# KiCad board helios-panel.kicad_pcb (continued)
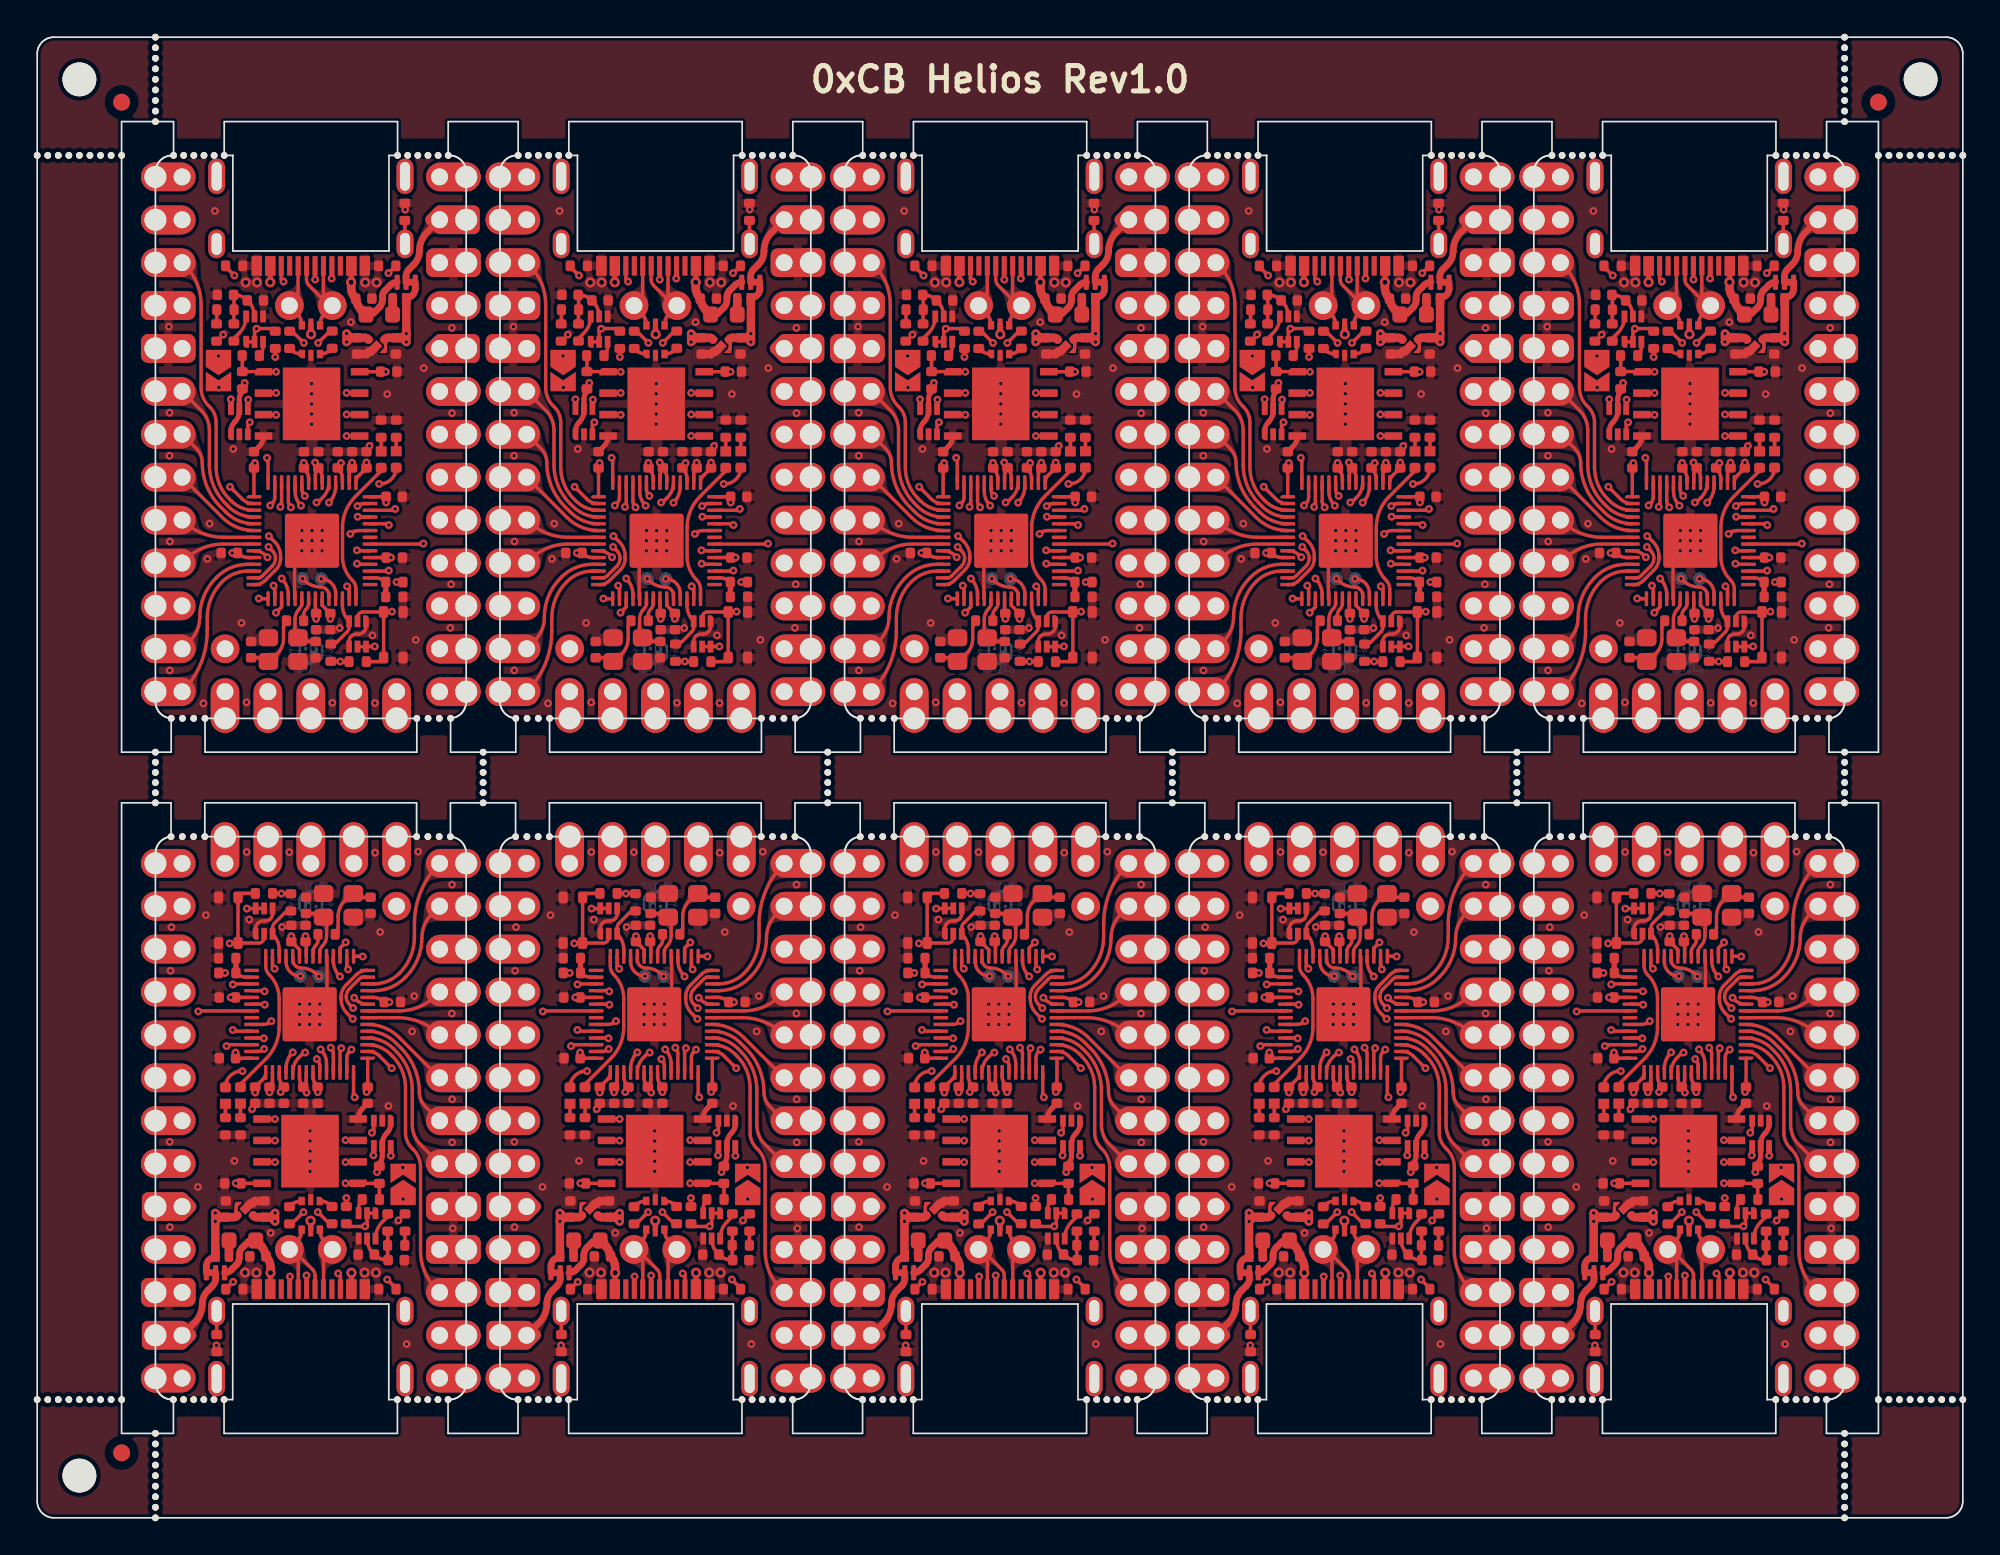
[diagram p0: board, top side]
## Routing (per net, layer and track width the routed paths; a pad name or vN(x,y) marks a point on that pad's centre or on a via; arc(x,y) is an arc through that point) (continued)
  In1.Cu w0.2: v1(80.48,33.23) 80.48,33.92 arc(81,36.53) J2#8.14
Board_8-/13: length 7.2
  Top w0.2: U4#4.16 79.53,32.55 v1(79.61,32.47)
  In1.Cu w0.2: J2#8.15 79.94,33.28 arc(79.85,32.84) v1(79.61,32.47)
Board_8-/14: length 6.2
  Top w0.2: v1(79.47,34.07) 79.13,33.73 U4#4.17
  In1.Cu w0.2: J2#8.16 77.62,38.53 arc(78.98,36.49) v1(79.47,34.07)
Board_8-/15: length 9.5
  Top w0.2: U4#4.18 78.73,33 arc(78.83,32.49) v1(79.12,32.05)
  In1.Cu w0.2: J2#8.17 77.4,36.21 arc(78.23,34.96) 78.53,33.5 arc(78.68,32.71) v1(79.12,32.05)
Board_8-/16: length 7.9
  Top w0.2: U4#4.27 75.13,32.63 v1(75.25,32.51)
  In1.Cu w0.2: J2#8.18 72.92,38.15 arc(74.65,35.56) v1(75.25,32.51)
Board_8-/20_SDI: length 4.9
  Top w0.2: v1(72.78,31.58) 72.81,31.61 U4#4.31
  In1.Cu w0.2: J2#8.21 71.22,32.23 arc(71.94,31.75) v1(72.78,31.58)
Board_8-/21_CS: length 10.1
  Top w0.2: v1(74.67,31.17) 74.62,31.21 U4#4.32
  In1.Cu w0.2: J2#8.19 72.68,35.85 arc(73.98,34.02) 74.61,31.88 74.61,31.22 v1(74.67,31.17)
Board_8-/22_SCK: length 5.9
  Top w0.2: U4#4.34 74.64,30.41 v1(74.67,30.38)
  In1.Cu w0.2: v1(74.67,30.38) 74.63,30.34 71.7,30.34 arc(70.66,30.54) J2#8.22
Board_8-/23_SDO: length 9.8
  Top w0.2: U4#4.35 70.77,30.01 v1(70.73,29.98)
  In2.Cu w0.2: v1(70.73,29.98) 70.86,30.11 70.86,33.83 arc(70.63,35.03) 69.95,36.04 J2#8.20
Board_8-/A0: length 4.2
  Top w0.2: U4#4.38 72.86,28.81 v1(72.78,28.88)
  In1.Cu w0.2: v1(72.78,28.88) 70.49,28.88 arc(70.11,28.81) J2#8.23
Board_8-/A1: length 6.5
  Top w0.2: v1(74.62,28.39) 74.61,28.41 U4#4.39
  In1.Cu w0.2: J2#8.24 71.88,28.15 arc(72.17,28.34) 72.51,28.41 74.6,28.41 v1(74.62,28.39)
Board_8-/A2: length 6.8
  Top w0.2: U4#4.40 72.48,28.01 v1(72.41,27.93)
  In1.Cu w0.2: J2#8.25 71.14,24.87 arc(72.08,26.27) v1(72.41,27.93)
Board_8-/A3: length 9.7
  Top w0.2: v1(74.64,27.76) 74.63,27.76 arc(74.47,27.65) 74.28,27.61 U4#4.41
  In1.Cu w0.2: J2#8.26 71.6,22.79 arc(72.29,23.83) 72.53,25.05 72.53,25.55 arc(72.7,26.4) 73.19,27.12 73.25,27.19 arc(73.89,27.61) v1(74.64,27.76)
Board_8-/BOOT: length 0.9
  Top w0.2: Q2#3.3 80.23,18.33 arc(80.29,18.61) R9#10.2
Board_8-/D+: length 12.7
  Top w0.2: v1(77.81,18.1) 78.5,17.41 R12#10.2 ; v1(77.06,27.55) 76.99,27.55 76.7,27.26 arc(76.43,26.85) U4#4.47
  In1.Cu w0.2: v1(77.81,18.1) 77.19,18.73 arc(76.71,19.45) 76.54,20.29 76.54,21.15 76.54,25.04 arc(76.58,25.23) 76.69,25.39 76.78,25.49 arc(76.89,25.65) 76.93,25.84 76.93,27.41 v1(77.06,27.55)
Board_8-/D-: length 12.7
  Top w0.2: v1(76.97,18.1) 76.27,17.4 R13#4.2 ; U4#4.46 75.93,26.59 arc(76.03,27.12) v1(76.33,27.56)
  In1.Cu w0.2: v1(76.97,18.1) 76.97,18.11 arc(76.93,18.3) 76.82,18.46 arc(76.28,19.27) 76.09,20.22 76.09,21.53 arc(76.06,21.6) 76,21.62 arc(75.94,21.65) 75.91,21.71 75.91,21.83 arc(75.94,21.9) 76,21.92 76.09,21.92 76.09,21.93 76.15,21.93 arc(76.2,21.95) 76.22,22 76.22,22.17 arc(76.2,22.22) 76.15,22.23 arc(76.11,22.25) 76.09,22.3 76.09,25.22 arc(76.13,25.41) 76.24,25.58 76.33,25.67 arc(76.44,25.83) 76.48,26.03 76.48,27.21 arc(76.44,27.4) 76.33,27.56 v1(76.33,27.56)
Board_8-/LED: length 8.8
  Top w0.2: D2.2 73.23,25.67 74.76,27.19 arc(75.33,28.04) 75.53,29.04 75.53,30.74 arc(75.37,31.51) 74.94,32.16 arc(74.78,32.39) 74.73,32.66 U4#4.28
Board_8-/PORT+: length 7.1
  Top w0.2: 77.16,13.54 77.16,14.34 v1(77.14,14.35) ; U1#8.6 77.93,17.04 arc(78.01,16.66) 78.23,16.33 J2#8.34 78.16,15.38 78.16,13.54
  In1.Cu w0.2: J2#8.34 78.5,15.89 77.14,14.53 v1(77.14,14.35)
Board_8-/PORT-: length 7.1
  Top w0.2: J2#8.33 76.56,16.32 arc(76.78,16.65) 76.86,17.03 U1#8.4 ; J2#8.33 76.66,15.36 76.66,13.54 ; J2#8.33 76.31,15.89 77.51,14.7 arc(77.62,14.53) 77.66,14.34 77.66,13.54
Board_8-/QSPI_CLK: length 11.3
  Top w0.2: U4#4.52 78.33,26.89 arc(78.24,27.35) v1(77.98,27.73) ; v1(75.28,22.33) 75.27,22.34 U3#6.6
  In2.Cu w0.2: v1(77.98,27.73) 77.98,27.63 arc(78.44,26.94) 78.61,26.13 78.61,24.85 arc(78.43,24.43) 78.01,24.26 75.31,24.26 arc(74.95,24.11) 74.81,23.76 74.81,23.48 arc(74.93,22.86) v1(75.28,22.33)
Board_8-/QSPI_CS: length 9.8
  Top w0.2: v1(80,24.9) 79.93,24.97 79.93,26.35 ; R9#10.1 81.45,18.86 R11#9.2 80.2,19.8 U3#6.1 79.46,19.8 v1(79.45,19.81)
  In2.Cu w0.2: v1(80,24.9) arc(80.17,24.64) 80.23,24.34 80.23,21.68 arc(80.03,20.67) v1(79.45,19.81)
Board_8-/QSPI_SD0: length 11.3
  Top w0.2: v1(78.58,27.83) 78.58,27.83 arc(78.69,27.67) 78.73,27.48 U4#4.53 ; v1(75.28,23.61) 75.28,23.61 U3#6.5
  In2.Cu w0.2: v1(78.58,27.83) 78.58,27.76 arc(78.82,27.4) 78.91,26.98 78.91,24.8 arc(78.66,24.21) 78.07,23.96 77.23,23.96 arc(77.13,23.92) 77.08,23.81 77.08,23.56 arc(77.04,23.45) 76.94,23.41 arc(76.83,23.45) 76.78,23.56 76.78,23.81 arc(76.74,23.92) 76.64,23.96 arc(76.53,23.92) 76.48,23.81 76.48,23.56 arc(76.44,23.45) 76.33,23.41 arc(76.23,23.45) 76.19,23.56 76.19,23.81 arc(76.14,23.92) 76.03,23.96 arc(75.66,23.89) 75.34,23.67 v1(75.28,23.61)
Board_8-/QSPI_SD1: length 11.4
  Top w0.2: v1(79.81,27.72) 79.68,27.6 arc(79.57,27.43) 79.53,27.24 U4#4.55 ; 80.2,21.08 79.47,21.08 v1(79.45,21.06)
  In2.Cu w0.2: v1(79.81,27.72) 79.64,27.56 arc(79.54,27.41) 79.5,27.24 arc(79.55,27.13) 79.66,27.09 79.75,27.09 arc(79.86,27.05) 79.91,26.94 arc(79.86,26.83) 79.75,26.79 79.66,26.79 arc(79.55,26.75) 79.5,26.64 arc(79.55,26.53) 79.66,26.49 79.75,26.49 arc(79.86,26.45) 79.91,26.34 arc(79.86,26.23) 79.75,26.19 79.66,26.19 arc(79.55,26.15) 79.5,26.04 arc(79.55,25.93) 79.66,25.89 79.75,25.89 arc(79.86,25.85) 79.91,25.74 arc(79.86,25.63) 79.75,25.59 79.66,25.59 arc(79.55,25.55) 79.5,25.44 79.5,24.88 arc(79.54,24.69) 79.65,24.53 79.78,24.4 arc(79.89,24.23) 79.93,24.04 79.93,23.7 arc(79.89,23.6) 79.78,23.55 79.68,23.55 arc(79.57,23.51) 79.53,23.4 arc(79.57,23.3) 79.68,23.25 79.78,23.25 arc(79.89,23.21) 79.93,23.1 79.93,22.2 arc(79.81,21.59) v1(79.45,21.06)
Board_8-/QSPI_SD2: length 11.3
  Top w0.2: v1(79.2,27.81) 79.13,27.73 U4#4.54 ; v1(79.45,22.36) 79.47,22.34 U3#6.3
  In2.Cu w0.2: v1(79.2,27.81) 79.2,23.81 arc(79.16,23.7) 79.06,23.66 78.36,23.66 arc(78.25,23.62) 78.2,23.51 arc(78.25,23.4) 78.36,23.36 79.06,23.36 arc(79.16,23.32) 79.2,23.21 arc(79.16,23.1) 79.06,23.06 78.36,23.06 arc(78.25,23.02) 78.2,22.91 arc(78.25,22.8) 78.36,22.76 79.06,22.76 arc(79.16,22.72) 79.2,22.61 v1(79.45,22.36)
Board_8-/QSPI_SD3: length 11.4
  Top w0.2: v1(75.28,21.06) 75.27,21.08 74.51,21.08 ; v1(77.75,27.16) 77.78,27.13 arc(77.89,26.97) 77.93,26.78 U4#4.51
  In2.Cu w0.2: v1(77.75,27.16) arc(78.16,26.55) 78.3,25.84 78.3,24.91 arc(78.21,24.68) 77.97,24.58 75.29,24.58 arc(74.71,24.34) 74.47,23.76 74.47,23.03 arc(74.68,21.96) v1(75.28,21.06)
Board_8-/RAW: length 4.4
  Top w0.4: JP2#9.2 71.77,14.18 arc(71.72,13.94) 71.58,13.74 71.3,13.45 arc(71.06,13.1) 70.97,12.68 arc(70.85,12.06) 70.5,11.53 J2#8.30
Board_8-/RESET: length 25.2
  Top w0.2: SW1#5.2 SW1#5.2 73.33,36.97 R1#10.2 ; SW1#5.2 74.32,34.03 arc(74.54,34.12) 74.64,34.35 Q1#6.2 ; SW1#5.2 72.61,34.03 v1(72.59,34.01)
  In2.Cu w0.2: v1(72.59,34.01) arc(71.65,32.6) 71.32,30.93 71.32,19.61 arc(70.92,17.6) J2#8.28
Board_8-/RGB_5V: length 17.5
  Top w0.2: U5#5.4 81.13,21.48 v1(81.11,21.46)
  In2.Cu w0.2: v1(81.11,21.46) arc(81.39,21.89) 81.49,22.39 81.49,25.88 arc(81.26,27.04) 80.6,28.02 79.33,29.29 arc(79.02,29.76) 78.91,30.31 arc(79.03,30.92) 79.38,31.44 81.29,33.34 arc(82.17,34.66) J2#8.32
Board_8-/RGB_DO: length 15.4
  Top w0.2: U4#4.37 74.58,29.21 arc(74.84,29.26) v1(75.06,29.41) ; U5#5.3 81.13,22.91 v1(81.02,22.8)
  In1.Cu w0.2: v1(81.02,22.8) 81.81,22.8 arc(82.46,23.07) 82.73,23.73 arc(82.59,24.46) 82.17,25.08 81.4,25.86 arc(80.96,26.51) 80.81,27.28 80.81,27.79 arc(80.62,28.25) 80.17,28.44 76.69,28.44 arc(76.09,28.56) 75.58,28.9 v1(75.06,29.41)
Board_8-/RST: length 3.3
  Top w0.2: U4#4.26 75.53,33.63 arc(75.43,34.14) Q1#6.3 75.14,34.92 arc(75.17,35.08) 75.25,35.21 75.86,35.81 arc(75.99,35.9) 76.14,35.93 R3#2.2
Board_8-/SWD_CLK: length 2.2
  Top w0.2: v1(77.89,32.06) 77.79,32.15 arc(77.35,32.45) 76.83,32.55 arc(76.48,32.7) 76.33,33.05 U4#4.24
Board_8-/SWD_IO: length 1.7
  Top w0.2: U4#4.25 75.93,32.92 arc(76.18,32.32) v1(76.78,32.07)
Board_8-/USB+: length 0.8
  Top w0.2: R12#10.1 78.6,18.48 arc(78.3,18.69) U1#8.1
Board_8-/USB-: length 0.8
  Top w0.2: R13#4.1 76.2,18.49 arc(76.5,18.69) U1#8.3
Board_8-GND: length 8.2
  Top w0.2: Q1#6.4 75.14,35.76 arc(75.1,35.6) 75.02,35.47 75,35.46 arc(74.87,35.37) 74.72,35.34 74.57,35.34 arc(74.42,35.31) 74.29,35.22 74.25,35.19 arc(74.17,35.06) 74.14,34.9 Q1#6.1 ; v1(77.33,29.81) 78.36,30.84 78.36,33.22 U4#4.19
  Top w0.3: C16#7.2 80.45,24.23 arc(80.27,23.95) U3#6.4
  Top w0.5: C5#3.2 74.1,18.76 U2#8.2 73.84,18.61 73.69,18.46
  vias: v1(69.05,22.26) v1(69.14,34.97) v1(69.09,32.39) v1(69.06,17.21) v1(70.72,19.59) v1(71.19,35.68) v1(71.81,10.21) v1(72.88,21.13) v1(73.61,39.42) v1(73.75,35.42) v1(73.92,24.2) v1(75.03,16.87) v1(75.69,34.98) v1(76.12,39.41) v1(76.73,30.41) v1(76.73,29.81) v1(76.72,29.21) v1(77.33,30.41) v1(77.33,29.21) v1(77.36,22.91) v1(77.36,22.31) v1(77.36,21.71) v1(77.36,21.11) v1(77.36,20.51) v1(77.94,30.41) v1(77.93,29.81) v1(77.92,29.21) v1(81.2,39.38) v1(81.5,34.68) v1(82,24.38) v1(82.58,17.61) v1(83.08,10.29) v1(83.39,28.8) v1(83.53,30.89) v1(83.75,39.44) v1(85.75,29.86) v1(85.75,37.49) v1(85.77,24.78) v1(85.77,22.23) v1(85.81,17.14) v2(73.5,14.52) v2(74.17,14.52) v2(80.58,14.52) v2(81.25,14.52)
Board_8-Net-(C8-Pad2): length 3.9
  Top w0.2: R14#10.1 78.87,34.57 arc(78.98,34.74) 79.02,34.93 79.02,35.6 arc(79.11,36.1) 79.39,36.52 79.83,36.96 Y1#10.1 80.13,36.74 C8#4.2
Board_8-Net-(D1-A): length 22.4
  Top w0.2: v1(73.36,26.45) 73.31,26.45 arc(72.63,26.17) D1.2 ; JP1#8.2 82.84,20.48 v1(82.84,20.74)
  In1.Cu w0.2: v1(73.36,26.45) 74.46,26.45 arc(74.93,26.54) 75.32,26.81 arc(75.54,27.13) 75.61,27.51 arc(75.5,28.09) 75.17,28.58 74.72,29.03 arc(74.58,29.39) 74.72,29.74 74.74,29.76 arc(75.09,29.9) 75.45,29.76 76.27,28.93 arc(76.49,28.79) 76.74,28.74 80.19,28.74 arc(80.84,28.46) 81.11,27.81 81.11,27.42 arc(81.27,26.63) 81.72,25.96 82.47,25.21 arc(82.89,24.58) 83.03,23.84 83.03,21.17 arc(82.99,20.94) 82.86,20.74 v1(82.84,20.74)
Board_8-Net-(D1-K): length 0.8
  Top w0.2: D1.1 R10#3.1
Board_8-Net-(D2-K): length 0.8
  Top w0.2: D2.1 R15#6.1
Board_8-Net-(D3-A): length 0.9
  Top w0.5: D3#4.2 72.56,16.42 F1#7.2
Board_8-Net-(J1-CC1): length 4.8
  Top w0.2: v1(76.17,14.29) 76.16,14.28 76.16,13.54 ; v1(72.81,13.97) 72.8,13.97 R7#9.2
  In1.Cu w0.2: v1(72.81,13.97) 72.82,13.99 75.43,13.99 arc(75.83,14.06) v1(76.17,14.29)
Board_8-Net-(J1-CC2): length 4.9
  Top w0.2: 82.44,13.54 82.44,13.59 v1(81.92,14.11) ; v1(79.02,14.47) 79.16,14.33 79.16,13.54
  In1.Cu w0.2: v1(81.92,14.11) 81.89,14.07 arc(81.79,14.01) 81.68,13.99 79.62,13.99 arc(79.51,14.01) 79.41,14.07 v1(79.02,14.47)
Board_8-Net-(J1-SHIELD): length 1.4
  Top w0.2: 71.83,12.24 71.83,10.85 FB1#9.1
Board_8-Net-(Q1A-D): length 26.6
  Top w0.2: Q2#3.1 Q2#3.2 80.73,17.38 v1(80.61,17.26) 80.61,17.25 79.67,17.25 R2#10.2 ; v1(73.61,36.07) 74.12,36.07 Q1#6.6 Q1#6.5
  In2.Cu w0.2: v1(73.61,36.07) 74.01,36.07 arc(75.96,35.68) 77.62,34.58 arc(78.35,33.48) 78.61,32.18 78.61,30.22 arc(78.73,29.64) 79.06,29.14 80.31,27.89 arc(80.96,26.92) 81.19,25.77 81.19,24.79 arc(81.1,24.32) 80.83,23.92 arc(80.61,23.59) 80.53,23.2 80.53,17.34 v1(80.61,17.26)
Board_8-Net-(Q2A-D): length 1.7
  Top w0.2: R4#9.1 81.95,17.84 81.64,17.53 arc(81.34,17.07) Q2#3.6
Board_8-Net-(Q2B-G): length 3.7
  Top w0.2: R4#9.2 81.95,16.14 R5#6.1 81.94,15.29 C1#10.1 81.94,15.26 arc(81.52,15.34) C2#2.1 81.1,15.65 arc(80.83,16.05) Q2#3.5
Board_8-Net-(R5-Pad2): length 0.8
  Top w0.2: R6#4.1 82.97,16.96 R5#6.2
Board_8-Net-(U4-XTAL_IN): length 3.6
  Top w0.2: C7#5.2 77.94,35.78 Y1#10.3 78.19,35.53 arc(78.3,35.37) 78.33,35.18 78.33,34.47 arc(78.27,34.13) 78.08,33.84 arc(77.97,33.68) 77.93,33.49 U4#4.20
Board_8-Net-(U4-XTAL_OUT): length 1.4
  Top w0.2: R14#10.2 77.83,34.22 arc(77.79,34.03) 77.68,33.87 77.68,33.87 arc(77.57,33.7) 77.53,33.51 U4#4.21
Board_8-VBUS: length 32.1
  Top w0.2: v1(72.33,32.26) R16#8.1
  Top w0.3: v2(75.02,14.51) 75,14.5 75,13.54 ; v2(79.81,14.51) 79.81,13.54
  Top w0.4: F1#7.1 73.89,16.42 arc(73.78,16.4) 73.68,16.33 73.34,16 arc(73.21,15.8) 73.17,15.56 73.17,15.37 arc(73.13,15.18) 73.01,15.01 72.68,14.67 arc(72.5,14.55) JP2#9.3
  Top w0.5: v2(75.02,14.51) 75.02,14.83 arc(74.94,15.18) C3#3.1 74.72,15.5 74.72,15.51 arc(74.63,15.84) 74.43,16.12 F1#7.1
  In2.Cu w0.2: v1(72.33,32.26) arc(71.8,31.48) 71.62,30.56 71.62,22.7 arc(72.5,18.27) v2(75.02,14.51)
  In2.Cu w0.5: v2(79.81,14.51) arc(79.54,13.86) 78.89,13.59 75.93,13.59 arc(75.28,13.86) v2(75.02,14.51)
Board_9-+1V1: length 15.7
  Top w0.2: v1(98.22,25.2) 98.2,25.21 C17#3.1 arc(98,25.8) 97.93,26.16 U4.50 ; v1(96.02,25.21) 96.2,25.4 C10#10.2 arc(96,25.8) 95.93,26.16 U4.45 ; U4.23 97.13,33.64 96.65,34.12 C19#10.1 v1(96.64,34.44)
  In2.Cu w0.2: v1(98.22,25.2) 97.17,26.24 ; 97.17,26.24 96.53,26.89 arc(96.25,27.3) 96.16,27.79 96.16,33.26 arc(96.28,33.9) v1(96.64,34.44) ; 97.17,26.24 96.14,25.21 v1(96.02,25.21)
Board_9-+3V3: length 21.3
  Top w0.2: 94.32,30.81 C12#3.1 v1(93.06,30.81) ; 93.86,19.81 v1(93.36,19.81) 93.36,19.8 U3#3.8 ; v1(97.55,25.18) 97.36,25.37 C14#9.1 ; U4.1 101.17,25.5 C16#6.1 101.17,25.27 v1(101.11,25.21) ; v1(102.45,30.53) C15#9.1 arc(101.85,30.74) 101.49,30.81 U4.10 ; R2#2.1 v1(99.91,18.94) ; R3#9.1 96.61,36.96 v1(96.06,36.96) 96.05,36.97 R1.1 ; v1(94.5,25.18) C18#4.1 94.96,25.95 arc(95.08,26.14) U4.43 ; v1(95.36,25.19) C9#10.2 95.47,25.62 arc(95.51,25.68) 95.53,25.76 U4.44 ; v1(97.48,34.44) C11#10.1 97.53,34.08 U4.22 ; v1(101.72,20.47) 101.72,20.68 R11#10.1 ; 94.32,27.21 C13#4.1 v1(93.34,27.55) ; U4.48 97.13,26.04 arc(97.19,25.75) C14#9.1 ; U4.49 97.53,25.92 arc(97.48,25.69) C14#9.1
  Top w0.3: R11#10.1 101.86,21 101.91,21.05 arc(102,21.23) 102.03,21.42 U5#8.5 102.03,22.13 arc(102.1,22.48) 102.3,22.78 102.31,22.79 arc(102.47,23.03) 102.53,23.32 U5#8.1
  Top w0.5: 94.38,17.91 94.43,17.86 arc(94.5,17.82) 94.57,17.8 C5#4.1 95.44,17.8 ; 95.44,17.8 v1(95.69,17.55) v1(95.69,18.05) 95.44,17.8
  vias: v1(103.27,18.87)
Board_9-+5V: length 20.9
  Top w0.2: U2#7.3 93.43,18.56 arc(93.39,18.5) 93.38,18.42 93.38,18.13 arc(93.39,18.05) 93.43,17.99 U2#7.4
  Top w0.3: v2(97.78,17.59) 97.8,17.58 U1#3.5 ; v1(102.53,21.44) 102.53,21.44 U5#8.6
  Top w0.4: JP2#10.1 91.61,14.89 arc(91.77,15.26) 92.14,15.42
  Top w0.5: 92.39,17.8 v1(92.14,17.55) ; 92.39,17.8 v1(92.14,18.05) v1(92.14,17.55) ; 92.39,17.8 C4#5.1 93.26,17.8 arc(93.33,17.82) 93.4,17.86 93.45,17.91 ; v1(92.14,17.55) 92.14,15.42 92.16,15.43 D3#6.1
  In1.Cu w0.3: v1(92.14,18.05) 92.44,18.34 arc(92.8,18.58) 93.23,18.67 95.4,18.67 arc(95.91,18.57) 96.35,18.28 96.77,17.86 arc(97.08,17.65) 97.45,17.58 97.77,17.58 v2(97.78,17.59) 97.8,17.58 99.01,17.58 arc(100.34,17.84) 101.47,18.6 arc(102.26,19.77) 102.53,21.16 v1(102.53,21.44)
Board_9-/0_TX0: length 18.4
  Top w0.2: U4.2 101.22,27.61 arc(101.57,27.54) 101.86,27.34 v1(102.58,26.62)
  In1.Cu w0.2: J2#3.2 105.42,11.38 arc(105.38,11.57) 105.27,11.73 105.24,11.77 arc(104.35,13.1) 104.03,14.68 104.03,23.91 arc(103.85,24.82) 103.34,25.59 102.78,26.15 arc(102.64,26.37) v1(102.58,26.62)
Board_9-/1_RX0: length 16.4
  Top w0.2: J2#3.3 105.24,13.53 arc(104.54,14.58) 104.3,15.81 104.3,20.77 arc(104.18,21.33) 103.86,21.81 103.78,21.9 arc(103.5,22.31) 103.41,22.8 103.41,25.47 arc(103.2,26.48) 102.63,27.33 102.51,27.45 arc(101.9,27.87) U4.3
Board_9-/2_SDA1: length 9.4
  Top w0.2: J2#3.6 104.28,22.11 arc(103.93,22.64) 103.81,23.26 103.81,25.33 arc(103.56,26.56) 102.86,27.6 102.68,27.78 arc(101.99,28.25) U4.4
Board_9-/3_SCL1: length 7.3
  Top w0.2: J2#3.7 104.58,24.35 arc(104.32,24.74) 104.22,25.21 arc(103.95,26.61) 103.15,27.8 102.83,28.12 arc(102.07,28.63) U4.5
Board_9-/4: length 5.4
  Top w0.2: J2#3.8 103.03,28.44 arc(102.18,29.01) U4.6
Board_9-/5: length 4.5
  Top w0.2: U4.7 102.96,29.61 arc(104.29,29.34) J2#3.9
Board_9-/6: length 4.6
  Top w0.2: U4.8 103.01,30.01 arc(104.2,30.25) 105.21,30.92 J2#3.10
Board_9-/7: length 6.9
  Top w0.2: U4.9 101.13,30.41 arc(100.77,30.48) 100.47,30.69 v1(100.36,30.79)
  In2.Cu w0.2: v1(100.36,30.79) 101.71,32.13 arc(103.41,33.27) J2#3.11
Board_9-/8: length 7.3
  Top w0.2: U4.11 101.55,31.21 arc(102.52,31.4) 103.35,31.95 103.42,32.02 arc(104.13,33.08) 104.38,34.34 arc(104.53,35.1) 104.96,35.75 J2#3.12
Board_9-/9: length 9.2
  Top w0.2: U4.12 101.53,31.61 arc(102.35,31.77) 103.04,32.24 arc(103.7,33.23) 103.94,34.39 103.94,35.16 arc(104.32,37.11) J2#3.13
Board_9-/10: length 26.5
  Top w0.2: v1(100.31,30.18) 100.07,30.42 arc(99.94,30.61) 99.89,30.84 arc(99.94,31.1) 100.09,31.32 100.66,31.89 arc(100.79,31.98) 100.94,32.01 U4.13
  In2.Cu w0.2: v1(100.31,30.18) 100.34,30.18 103.62,26.9 arc(104.03,26.28) 104.17,25.56 104.17,11.28 arc(104.5,9.65) J2#3.1
Board_9-/11: length 38
  Top w0.2: U4.14 101.08,32.41 arc(100.78,32.35) 100.52,32.18 99.87,31.53 arc(99.66,31.22) 99.59,30.86 99.59,30.73 arc(99.68,30.26) 99.95,29.87 100.27,29.54 v1(100.28,29.54)
  In1.Cu w0.2: v1(100.28,29.54) 100.28,29.35 arc(100.38,29.13) 100.6,29.04 arc(101.46,28.68) 101.81,27.82 101.81,27.59 arc(101.98,26.76) 102.45,26.06 103.11,25.4 arc(103.57,24.7) 103.73,23.88 103.73,15.39 arc(103.18,14.06) 101.85,13.51 92.57,13.51 arc(91.74,13.17) 91.39,12.33 91.39,11.2 arc(91.08,9.62) J2#3.31
Board_9-/12: length 6.6
  Top w0.2: v1(100.88,33.23) 100.87,33.25 U4.15
  In1.Cu w0.2: v1(100.88,33.23) 100.88,33.92 arc(101.4,36.53) J2#3.14
Board_9-/13: length 7.2
  Top w0.2: U4.16 99.93,32.55 v1(100,32.47)
  In1.Cu w0.2: J2#3.15 100.34,33.28 arc(100.25,32.84) v1(100,32.47)
Board_9-/14: length 6.2
  Top w0.2: v1(99.86,34.07) 99.53,33.73 U4.17
  In1.Cu w0.2: J2#3.16 98.02,38.53 arc(99.38,36.49) v1(99.86,34.07)
Board_9-/15: length 9.5
  Top w0.2: U4.18 99.13,33 arc(99.23,32.49) v1(99.53,32.05)
  In1.Cu w0.2: J2#3.17 97.8,36.21 arc(98.63,34.96) 98.92,33.5 arc(99.08,32.71) v1(99.53,32.05)
Board_9-/16: length 7.9
  Top w0.2: U4.27 95.53,32.63 v1(95.66,32.51)
  In1.Cu w0.2: J2#3.18 93.32,38.15 arc(95.05,35.56) v1(95.66,32.51)
Board_9-/20_SDI: length 4.9
  Top w0.2: v1(93.19,31.58) 93.22,31.61 U4.31
  In1.Cu w0.2: J2#3.21 91.62,32.23 arc(92.34,31.75) v1(93.19,31.58)
Board_9-/21_CS: length 10.1
  Top w0.2: v1(95.06,31.17) 95.03,31.21 U4.32
  In1.Cu w0.2: J2#3.19 93.08,35.85 arc(94.38,34.02) 95.01,31.88 95.01,31.22 v1(95.06,31.17)
Board_9-/22_SCK: length 5.9
  Top w0.2: U4.34 95.05,30.41 v1(95.08,30.38)
  In1.Cu w0.2: v1(95.08,30.38) 95.03,30.34 92.1,30.34 arc(91.06,30.54) J2#3.22
Board_9-/23_SDO: length 9.8
  Top w0.2: U4.35 91.17,30.01 v1(91.14,29.98)
  In2.Cu w0.2: v1(91.14,29.98) 91.27,30.11 91.27,33.83 arc(91.03,35.03) 90.35,36.04 J2#3.20
Board_9-/A0: length 4.2
  Top w0.2: U4.38 93.25,28.81 v1(93.18,28.88)
  In1.Cu w0.2: v1(93.18,28.88) 90.89,28.88 arc(90.51,28.81) J2#3.23
Board_9-/A1: length 6.5
  Top w0.2: v1(95.03,28.39) 95,28.41 U4.39
  In1.Cu w0.2: J2#3.24 92.28,28.15 arc(92.57,28.34) 92.91,28.41 95,28.41 v1(95.03,28.39)
Board_9-/A2: length 6.8
  Top w0.2: U4.40 92.89,28.01 v1(92.81,27.93)
  In1.Cu w0.2: J2#3.25 91.54,24.87 arc(92.48,26.27) v1(92.81,27.93)
Board_9-/A3: length 9.7
  Top w0.2: v1(95.03,27.76) 95.03,27.76 arc(94.87,27.65) 94.68,27.61 U4.41
  In1.Cu w0.2: J2#3.26 92,22.79 arc(92.69,23.83) 92.94,25.05 92.94,25.55 arc(93.1,26.4) 93.59,27.12 93.65,27.19 arc(94.29,27.61) v1(95.03,27.76)
Board_9-/BOOT: length 0.9
  Top w0.2: Q2#6.3 100.63,18.33 arc(100.69,18.61) R9#2.2
Board_9-/D+: length 12.7
  Top w0.2: v1(98.22,18.1) 98.91,17.41 R12.2 ; v1(97.47,27.55) 97.39,27.55 97.1,27.26 arc(96.83,26.85) U4.47
  In1.Cu w0.2: v1(98.22,18.1) 97.59,18.73 arc(97.11,19.45) 96.94,20.29 96.94,21.15 96.94,25.04 arc(96.98,25.23) 97.09,25.39 97.18,25.49 arc(97.29,25.65) 97.33,25.84 97.33,27.41 v1(97.47,27.55)
Board_9-/D-: length 12.7
  Top w0.2: v1(97.36,18.1) 96.67,17.4 R13#5.2 ; U4.46 96.33,26.59 arc(96.43,27.12) v1(96.73,27.56)
  In1.Cu w0.2: v1(97.36,18.1) 97.36,18.11 arc(97.33,18.3) 97.22,18.46 arc(96.68,19.27) 96.49,20.22 96.49,21.53 arc(96.46,21.6) 96.4,21.62 arc(96.34,21.65) 96.31,21.71 96.31,21.83 arc(96.34,21.9) 96.4,21.92 96.49,21.92 96.49,21.93 96.55,21.93 arc(96.6,21.95) 96.62,22 96.62,22.17 arc(96.6,22.22) 96.55,22.23 arc(96.51,22.25) 96.49,22.3 96.49,25.22 arc(96.53,25.41) 96.64,25.58 96.73,25.67 arc(96.84,25.83) 96.88,26.03 96.88,27.21 arc(96.84,27.4) 96.73,27.56 v1(96.73,27.56)
Board_9-/LED: length 8.8
  Top w0.2: D2#4.2 93.64,25.67 95.16,27.19 arc(95.73,28.04) 95.92,29.04 95.92,30.74 arc(95.77,31.51) 95.34,32.16 arc(95.18,32.39) 95.13,32.66 U4.28
Board_9-/PORT+: length 7.1
  Top w0.2: 97.56,13.54 97.56,14.34 v1(97.55,14.35) ; U1#3.6 98.33,17.04 arc(98.41,16.66) 98.63,16.33 J2#3.34 98.56,15.38 98.56,13.54
  In1.Cu w0.2: J2#3.34 98.91,15.89 97.55,14.53 v1(97.55,14.35)
Board_9-/PORT-: length 7.1
  Top w0.2: J2#3.33 96.96,16.32 arc(97.18,16.65) 97.26,17.03 U1#3.4 ; J2#3.33 97.06,15.36 97.06,13.54 ; J2#3.33 96.72,15.89 97.91,14.7 arc(98.02,14.53) 98.06,14.34 98.06,13.54
Board_9-/QSPI_CLK: length 11.3
  Top w0.2: U4.52 98.73,26.89 arc(98.64,27.35) v1(98.38,27.73) ; v1(95.68,22.33) 95.67,22.34 U3#3.6
  In2.Cu w0.2: v1(98.38,27.73) 98.38,27.63 arc(98.84,26.94) 99,26.13 99,24.85 arc(98.83,24.43) 98.41,24.26 95.71,24.26 arc(95.35,24.11) 95.21,23.76 95.21,23.48 arc(95.33,22.86) v1(95.68,22.33)
Board_9-/QSPI_CS: length 9.8
  Top w0.2: v1(100.39,24.9) 100.33,24.97 100.33,26.35 ; 101.86,18.85 101.86,18.86 R11#10.2 100.61,19.8 U3#3.1 99.86,19.8 v1(99.86,19.81)
  In2.Cu w0.2: v1(100.39,24.9) arc(100.57,24.64) 100.63,24.34 100.63,21.68 arc(100.43,20.67) v1(99.86,19.81)
Board_9-/QSPI_SD0: length 11.3
  Top w0.2: v1(98.98,27.83) 98.98,27.83 arc(99.09,27.67) 99.13,27.48 U4.53 ; v1(95.68,23.61) 95.67,23.61 U3#3.5
  In2.Cu w0.2: v1(98.98,27.83) 98.98,27.76 arc(99.22,27.4) 99.31,26.98 99.31,24.8 arc(99.06,24.21) 98.47,23.96 97.64,23.96 arc(97.53,23.92) 97.48,23.81 97.48,23.56 arc(97.44,23.45) 97.33,23.41 arc(97.23,23.45) 97.19,23.56 97.19,23.81 arc(97.14,23.92) 97.03,23.96 arc(96.93,23.92) 96.89,23.81 96.89,23.56 arc(96.84,23.45) 96.73,23.41 arc(96.63,23.45) 96.58,23.56 96.58,23.81 arc(96.54,23.92) 96.44,23.96 arc(96.06,23.89) 95.74,23.67 v1(95.68,23.61)
Board_9-/QSPI_SD1: length 11.4
  Top w0.2: v1(100.2,27.72) 100.08,27.6 arc(99.97,27.43) 99.93,27.24 U4.55 ; 100.6,21.08 99.87,21.08 v1(99.86,21.06)
  In2.Cu w0.2: v1(100.2,27.72) 100.04,27.56 arc(99.94,27.41) 99.91,27.24 arc(99.95,27.13) 100.06,27.09 100.16,27.09 arc(100.26,27.05) 100.31,26.94 arc(100.26,26.83) 100.16,26.79 100.06,26.79 arc(99.95,26.75) 99.91,26.64 arc(99.95,26.53) 100.06,26.49 100.16,26.49 arc(100.26,26.45) 100.31,26.34 arc(100.26,26.23) 100.16,26.19 100.06,26.19 arc(99.95,26.15) 99.91,26.04 arc(99.95,25.93) 100.06,25.89 100.16,25.89 arc(100.26,25.85) 100.31,25.74 arc(100.26,25.63) 100.16,25.59 100.06,25.59 arc(99.95,25.55) 99.91,25.44 99.91,24.88 arc(99.94,24.69) 100.05,24.53 100.18,24.4 arc(100.29,24.23) 100.33,24.04 100.33,23.7 arc(100.29,23.6) 100.18,23.55 100.08,23.55 arc(99.97,23.51) 99.93,23.4 arc(99.97,23.3) 100.08,23.25 100.18,23.25 arc(100.29,23.21) 100.33,23.1 100.33,22.2 arc(100.21,21.59) v1(99.86,21.06)
Board_9-/QSPI_SD2: length 11.3
  Top w0.2: v1(99.61,27.81) 99.53,27.73 U4.54 ; v1(99.86,22.36) 99.87,22.34 U3#3.3
  In2.Cu w0.2: v1(99.61,27.81) 99.61,23.81 arc(99.56,23.7) 99.45,23.66 98.75,23.66 arc(98.65,23.62) 98.61,23.51 arc(98.65,23.4) 98.75,23.36 99.45,23.36 arc(99.56,23.32) 99.61,23.21 arc(99.56,23.1) 99.45,23.06 98.75,23.06 arc(98.65,23.02) 98.61,22.91 arc(98.65,22.8) 98.75,22.76 99.45,22.76 arc(99.56,22.72) 99.61,22.61 v1(99.86,22.36)
Board_9-/QSPI_SD3: length 11.4
  Top w0.2: v1(95.68,21.06) 95.67,21.08 94.91,21.08 ; v1(98.16,27.16) 98.18,27.13 arc(98.29,26.97) 98.33,26.78 U4.51
  In2.Cu w0.2: v1(98.16,27.16) arc(98.56,26.55) 98.7,25.84 98.7,24.91 arc(98.61,24.68) 98.37,24.58 95.69,24.58 arc(95.11,24.34) 94.86,23.76 94.86,23.03 arc(95.08,21.96) v1(95.68,21.06)
Board_9-/RAW: length 4.4
  Top w0.4: JP2#10.2 92.17,14.18 arc(92.12,13.94) 91.98,13.74 91.7,13.45 arc(91.46,13.1) 91.38,12.68 arc(91.25,12.06) 90.9,11.53 J2#3.30
Board_9-/RESET: length 25.2
  Top w0.2: SW1#8.2 SW1#8.2 93.73,36.97 R1.2 ; SW1#8.2 94.72,34.03 arc(94.94,34.12) 95.03,34.35 Q1#8.2 ; SW1#8.2 93.02,34.03 v1(93,34.01)
  In2.Cu w0.2: v1(93,34.01) arc(92.05,32.6) 91.72,30.93 91.72,19.61 arc(91.32,17.6) J2#3.28
Board_9-/RGB_5V: length 17.5
  Top w0.2: U5#8.4 101.53,21.48 v1(101.5,21.46)
  In2.Cu w0.2: v1(101.5,21.46) arc(101.79,21.89) 101.89,22.39 101.89,25.88 arc(101.66,27.04) 101,28.02 99.73,29.29 arc(99.42,29.76) 99.31,30.31 arc(99.43,30.92) 99.78,31.44 101.69,33.34 arc(102.57,34.66) J2#3.32
Board_9-/RGB_DO: length 15.4
  Top w0.2: U4.37 94.98,29.21 arc(95.24,29.26) v1(95.47,29.41) ; U5#8.3 101.53,22.91 v1(101.42,22.8)
  In1.Cu w0.2: v1(101.42,22.8) 102.21,22.8 arc(102.86,23.07) 103.14,23.73 arc(102.99,24.46) 102.57,25.08 101.8,25.86 arc(101.36,26.51) 101.21,27.28 101.21,27.79 arc(101.02,28.25) 100.57,28.44 97.09,28.44 arc(96.49,28.56) 95.98,28.9 v1(95.47,29.41)
Board_9-/RST: length 3.3
  Top w0.2: U4.26 95.93,33.63 arc(95.83,34.14) Q1#8.3 95.53,34.92 arc(95.57,35.08) 95.65,35.21 96.26,35.81 arc(96.39,35.9) 96.54,35.93 R3#9.2
Board_9-/SWD_CLK: length 2.2
  Top w0.2: v1(98.28,32.06) 98.19,32.15 arc(97.75,32.45) 97.23,32.55 arc(96.88,32.7) 96.73,33.05 U4.24
